# KiCad board arena_10_of_10_v1r1.kicad_pcb (continued)
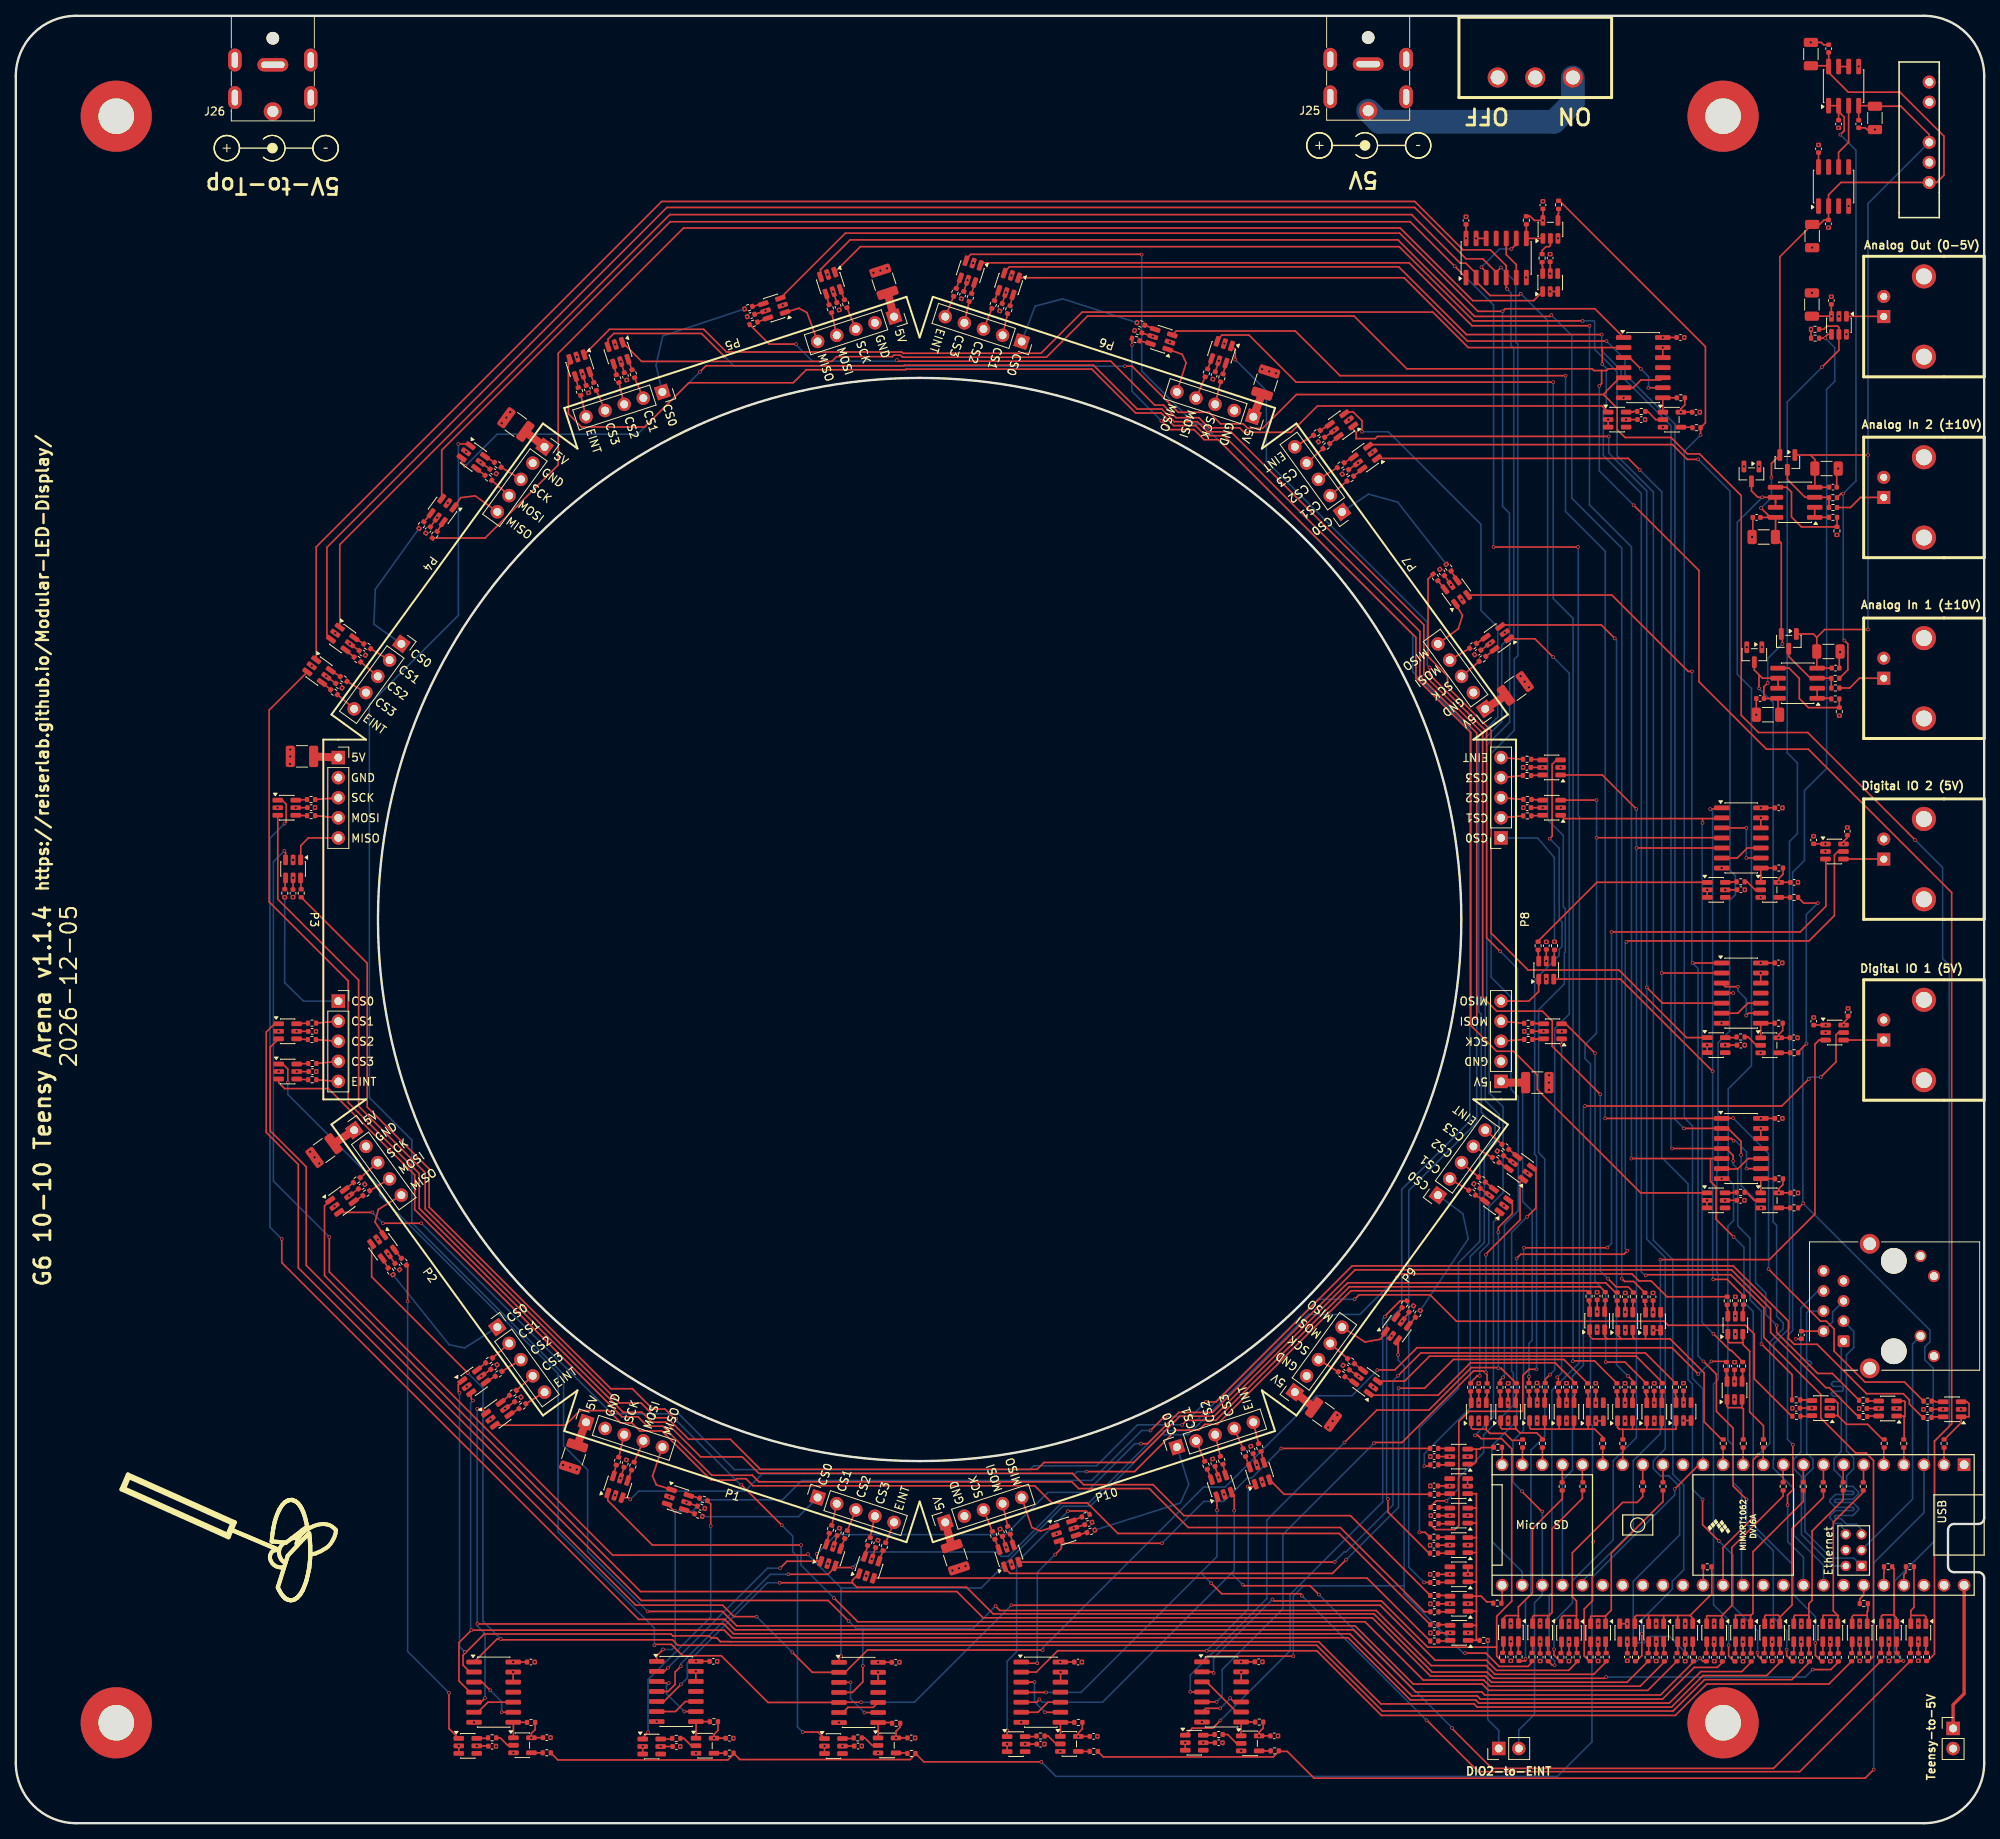
[diagram p0: board, top side]
## Routing (per net, layer and track width the routed paths; a pad name or vN(x,y) marks a point on that pad's centre or on a via; arc(x,y) is an arc through that point) (continued)
/Fan Out/PAN.CS_00_P6: length 213.6
  Top w0.2: v1(200.99,89.15) 215.73,89.15 215.75,89.17 v1(217.18,89.17) ; v1(221.65,70.07) 228.22,63.5 228.96,63.5 229.93,62.52 229.93,59.7 233.84,55.8 238.84,55.8 R49.2 ; v1(195.98,183.08) 167.46,183.08 161.8,188.74 146.75,188.74 U63.3
  Bottom w0.2: v1(221.65,70.07) 221.65,84.69 v1(217.18,89.17) ; v1(195.98,183.08) 195.98,165.89 200.99,160.88 v1(200.99,89.15)
/Fan Out/PAN.CS_01_P1: length 183.6
  Top w0.2: 101.29,33.13 97.53,33.13 v1(96.66,32.26) ; 101.29,33.13 v1(101.29,34.06) ; 101.29,33.13 U44.1 ; v1(82.47,19.66) 82.01,19.2 U89.2 ; R50.2 232.99,51.43 229.33,55.09 228.9,55.09 221.91,62.08 221.91,65.05 216.97,69.99 169.37,69.99 151.34,51.96 147.07,51.96 143.12,48 v1(142.28,48)
  Bottom w0.2: v1(82.47,19.66) 95.07,32.26 v1(96.66,32.26) ; v1(101.29,34.06) 103.74,36.5 125.18,36.5 130.52,41.84 135.37,41.84 141.53,48 v1(142.28,48)
/Fan Out/PAN.CS_01_P6: length 229.2
  Top w0.2: v1(222.68,62.95) 222.68,62.08 227.88,56.88 229.71,56.88 R51.2 ; v1(218.18,84.53) 218.18,86.22 216.53,87.88 U99.2 v1(210.96,87.88) ; v1(201.16,187.46) 183.56,187.46 175.55,195.47 U64.1
  Bottom w0.2: v1(218.18,84.53) 218.18,80.65 220.01,78.83 220.01,68.37 221.29,67.09 221.29,64.36 222.68,62.98 v1(222.68,62.95) ; v1(201.16,187.46) 203.51,185.11 203.51,183.27 209.82,176.96 209.82,89.02 v1(210.96,87.88)
/Fan Out/PAN.CS_02_P1: length 175.9
  Top w0.2: v1(84.09,19.84) 83.37,19.12 83.37,17.55 82.48,16.66 U89.4 ; v1(169.3,66.27) 169.86,66.83 178.84,66.83 182.18,63.49 208.45,63.49 208.97,62.97 218.74,62.97 219.86,61.85 219.86,56.19 224.59,51.47 R52.2 ; v1(105.81,32.34) 103.81,32.34 U44.3 103.6,32.38 102.7,31.48 v1(97.7,31.48)
  Bottom w0.2: v1(105.81,32.34) 107.79,34.31 124.05,34.31 124.05,34.28 124.57,33.75 125.5,33.75 132.29,40.54 135.71,40.54 144.83,49.65 148.05,49.65 164.66,66.27 v1(169.3,66.27) ; v1(84.09,19.84) 84.09,20.17 95.4,31.48 v1(97.7,31.48)
/Fan Out/PAN.CS_02_P6: length 228.2
  Top w0.2: U64.3 125,196.21 125.64,196.85 174.88,196.85 183.45,188.29 v1(200.56,188.29) ; R53.2 224.63,56.73 v1(220.76,60.61) ; v1(209.45,85.34) U99.4 216.28,85.34 217.18,84.43 v1(217.18,83.75)
  Bottom w0.2: v1(209.45,85.34) 209.31,85.47 209.31,176.75 203.01,183.06 203.01,183.77 200.56,186.22 v1(200.56,188.29) ; v1(217.18,83.75) 217.18,83.32 217.75,82.75 217.75,75.55 219.3,74 219.3,66.2 220.76,64.74 v1(220.76,60.61)
/Fan Out/PAN.CS_03_P1: length 164.2
  Top w0.2: v1(201.11,18.48) 200.96,18.33 186.84,18.33 186.06,19.1 179.12,19.1 171.74,26.48 123.59,26.48 120.22,29.85 106.35,29.85 105.79,30.41 ; U45.1 105.79,30.71 105.79,30.41 ; v1(227.24,19.44) 229.53,19.44 230.47,20.37 R54.2 ; 105.79,30.41 v1(96.59,30.41) ; v1(84.11,17.55) 81.95,15.39 U89.5
  Bottom w0.2: v1(96.59,30.41) 95.04,30.41 84.92,20.28 84.92,18.36 v1(84.11,17.55) ; v1(227.24,19.44) 226.29,18.48 v1(201.11,18.48)
/Fan Out/PAN.CS_03_P6: length 268.9
  Top w0.2: R55.2 228.33,20.47 227.58,21.22 v1(227.58,22.8) ; v1(204.31,84.07) 214.31,84.07 ; 214.31,84.07 U99.5 ; 214.31,84.07 214.31,81.17 215.01,80.47 215.01,76.38 v1(217.23,74.16) ; U65.1 122.28,197.36 176.2,197.36 184.15,189.4 v1(199,189.4)
  Bottom w0.2: v1(199,189.4) 199,166.74 204.31,161.43 v1(204.31,84.07) ; v1(227.58,22.8) 227.58,26.11 224.79,28.9 224.79,32.62 219.71,37.7 219.71,64.72 218.54,65.89 218.54,72.85 v1(217.23,74.16)
/Fan Out/PAN.CS_04_P2: length 233.2
  Top w0.2: v1(57.16,56.95) 45,69.11 U47.3 ; R56.2 226.82,20.37 224.61,18.16 213.55,18.16 209.58,14.19 172.82,14.19 164.51,22.5 83.74,22.5 83.05,23.2 61.43,23.2 v1(61.33,23.3) 60.86,23.3 U91.1
  Bottom w0.2: v1(61.33,23.3) 59.08,25.55 59.08,55.03 v1(57.16,56.95)
/Fan Out/PAN.CS_04_P7: length 166.6
  Top w0.2: U67.3 201.83,155.34 211.49,145.68 v1(211.95,145.68) ; v1(212.04,108.8) U102.1 ; v1(218.87,40.95) 217.17,42.64 217.17,49.96 215.06,52.07 215.06,56.77 v1(213.43,58.41) ; R57.2 224.64,20.48 223.94,21.17 v1(223.94,21.95)
  Bottom w0.2: v1(218.87,40.95) 218.87,37.84 222.25,34.45 222.25,26.02 223.94,24.33 v1(223.94,21.95) ; v1(213.43,58.41) 212.73,59.11 212.73,108.11 v1(212.04,108.8) 211.95,108.89 v1(211.95,145.68)
/Fan Out/PAN.CS_05_P2: length 212
  Top w0.2: 56.88,21.56 56.55,21.24 56.55,19.99 57.43,19.12 U91.2 ; 56.88,21.56 59.24,23.93 82.85,23.93 83.08,23.7 83.25,23.7 87.67,23.7 87.93,23.44 88.63,23.44 89.1,22.97 89.11,22.96 90.33,22.96 90.34,22.95 164.77,22.95 172.63,15.09 184.4,15.09 184.8,14.69 209.38,14.69 213.36,18.68 221.42,18.68 223.14,20.4 R58.2 ; 56.88,21.56 v1(56.76,21.67) ; v1(56.11,54.44) 55.96,54.59 55.96,55.47 U48.1
  Bottom w0.2: v1(56.11,54.44) 56.11,22.32 v1(56.76,21.67)
/Fan Out/PAN.CS_05_P7: length 198.7
  Top w0.2: R59.2 220.98,20.48 220.26,21.19 v1(220.26,21.57) ; v1(213.31,40.95) 213.31,37.75 v1(215.36,35.71) ; U68.1 203.91,172.62 v1(205.37,171.16) ; v1(208.15,107.53) U102.2
  Bottom w0.2: v1(215.36,35.71) 217.17,33.89 217.17,27.43 220.26,24.34 v1(220.26,21.57) ; v1(213.31,40.95) 212.02,42.23 212.02,55.55 211.48,56.1 211.48,80.87 208.15,84.19 v1(208.15,107.53) 208.15,168.38 v1(205.37,171.16)
/Fan Out/PAN.CS_06_P2: length 207.8
  Top w0.2: v1(57.81,53.46) 57.59,53.68 U48.3 ; U91.4 57.45,16.58 56.04,17.98 56.04,22.83 v1(57.62,24.41) 89.59,24.41 90.55,23.46 168.48,23.46 176.35,15.59 184.6,15.59 185,15.19 209.1,15.19 213.08,19.18 218.27,19.18 219.44,20.36 R60.2
  Bottom w0.2: v1(57.81,53.46) 57.51,53.16 57.51,24.51 v1(57.62,24.41)
/Fan Out/PAN.CS_06_P7: length 201
  Top w0.2: v1(217.18,104.99) U102.4 ; U68.3 171.22,174.37 209.51,174.37 211.38,172.49 v1(212.75,172.49) ; v1(216.6,22.49) 216.6,21.15 217.28,20.47 R61.2
  Bottom w0.2: 216.73,104.99 216.73,104.99 216.73,116.7 217.45,117.43 217.45,119.83 216.77,120.51 216.77,168.48 v1(212.75,172.49) ; 216.73,104.99 216.73,100.17 215.26,98.7 215.26,82.54 215.11,82.39 215.11,69.68 215.28,69.51 215.28,56.12 214.69,55.53 214.69,27.63 216.6,25.72 v1(216.6,22.49) ; 216.73,104.99 v1(217.18,104.99)
/Fan Out/PAN.CS_07_P2: length 203.4
  Top w0.2: R62.2 215.8,20.33 215.18,19.71 212.25,19.71 208.24,15.69 185.21,15.69 184.81,16.09 176.56,16.09 168.69,23.96 90.75,23.96 89.51,25.2 v1(58.38,25.2) ; 57.95,15.31 58.81,15.31 v1(59.33,15.82) ; v1(58.35,52.4) 58.94,52.4 U49.1
  Bottom w0.2: v1(59.33,15.82) 59.33,23.97 58.38,24.93 v1(58.38,25.2) 58.38,25.39 58.34,25.43 58.34,52.39 v1(58.35,52.4)
/Fan Out/PAN.CS_07_P7: length 215.6
  Top w0.2: v1(212.96,20.88) 213.36,20.48 R63.2 ; U69.1 169.13,176.28 169.51,175.91 169.51,175.13 169.5,175.13 171.92,175.13 172.2,175.4 v1(201.45,175.4) ; U102.5 208.24,103.72 v1(206.24,105.71)
  Bottom w0.2: v1(201.45,175.4) 201.45,173.3 206.24,168.5 v1(206.24,105.71) 206.24,73.87 208.59,71.52 208.59,47.35 207.08,45.84 207.08,44.84 207.99,43.93 209.04,43.93 210.41,42.57 210.41,36.47 204.54,30.6 204.54,23.34 205.05,22.83 205.93,22.83 206.73,23.62 209.12,23.62 212.27,20.48 212.56,20.48 v1(212.96,20.88)
/Fan Out/PAN.CS_08_P3: length 278.7
  Top w0.2: 34.11,121.84 34.11,122.77 33.96,122.92 v1(33.96,122.99) ; v1(100.17,34.03) 100.04,33.91 75.47,33.91 39.65,69.73 v1(39.65,74.13) ; v1(174.63,69.02) 175.09,69.48 204.38,69.48 205.26,68.6 206.8,68.6 208.81,66.59 R64.2 ; v1(104.35,21.16) 104.1,20.91 U94.1
  Bottom w0.2: v1(33.96,122.99) 32.58,121.6 32.58,81.2 v1(39.65,74.13) ; v1(104.35,21.16) 104.35,29.64 104.45,29.75 ; 104.45,29.75 104.38,29.75 100.17,33.96 v1(100.17,34.03) ; 104.45,29.75 122.07,29.75 132.43,40.1 135.9,40.1 144.95,49.15 148.26,49.15 163.45,64.34 169.96,64.34 v1(174.63,69.02)
/Fan Out/PAN.CS_08_P8: length 90.9
  Top w0.2: U103.1 215.58,128.28 v1(214.27,128.28) ; 194.49,106.77 202.91,106.77 v1(214.58,95.09) ; R65.2 218.48,66.71 216.42,68.77 v1(214.65,68.77)
  Bottom w0.2: v1(214.65,68.77) 214.58,68.85 v1(214.58,95.09) 214.58,127.96 v1(214.27,128.28)
/Fan Out/PAN.CS_09_P3: length 254.6
  Top w0.2: v1(212.76,56.81) 209.43,60.14 177.2,60.14 174.39,57.33 172.2,57.33 v1(172.18,57.3) ; v1(98.2,21.61) 100.73,19.08 U94.2 104.87,19.08 107.69,21.9 129.84,21.9 v1(129.86,21.88) ; v1(93.68,26.12) 90.82,26.12 89.37,27.58 78.38,27.58 35.73,70.23 35.73,83.31 31.67,87.37 31.67,100.06 32.72,101.11 U52.1 ; v1(214.42,58.41) 216.23,58.41 R66.2
  Bottom w0.2: v1(172.18,57.3) 172.18,57.28 168.96,54.06 164.48,54.06 152.94,42.51 150.21,42.51 129.86,22.17 v1(129.86,21.88) ; v1(212.76,56.81) 212.82,56.81 v1(214.42,58.41) ; v1(98.2,21.61) 94.27,25.54 94.26,25.54 v1(93.68,26.12)
/Fan Out/PAN.CS_09_P8: length 91.6
  Top w0.2: 213.31,127.06 v1(213.31,126.53) ; 213.31,127.06 215.63,127.06 215.73,127.16 ; 213.31,127.06 195.79,127.06 U72.1 ; v1(214.68,61.9) 216.79,59.8 216.95,59.8 218.38,58.37 R67.2
  Bottom w0.2: v1(214.68,61.9) 213.25,63.34 213.25,126.47 v1(213.31,126.53)
/Fan Out/PAN.CS_10_P3: length 230.3
  Top w0.2: U52.3 32.17,98.14 32.17,87.57 36.73,83.02 36.73,70.54 79.1,28.17 102.72,28.17 v1(105.31,25.59) ; v1(107.12,19.91) 107.12,17.87 105.79,16.54 U94.4 ; R68.2 201.12,20.41 199.54,18.83 187.04,18.83 185.94,19.93 179,19.93 172.03,26.9 124.45,26.9 123.9,27.45 v1(123.9,27.48)
  Bottom w0.2: v1(107.12,19.91) 107.12,24.63 ; 107.12,24.63 121.06,24.63 123.9,27.47 v1(123.9,27.48) ; 107.12,24.63 106.26,24.63 v1(105.31,25.59)
/Fan Out/PAN.CS_10_P8: length 131.1
  Top w0.2: U72.3 195.37,129.4 v1(199.9,129.4) ; v1(199.9,124.65) 215.69,124.65 U103.4 ; v1(199.48,35.6) 199.39,35.51 199.39,28.13 198.33,27.08 198.33,21.15 198.99,20.5 R69.2
  Bottom w0.2: v1(199.48,35.6) 199.39,35.69 199.39,50.25 199.13,50.5 199.13,96.02 198.45,96.7 198.45,98.48 199.9,99.92 v1(199.9,124.65) 199.9,125.94 199.9,125.94 v1(199.9,129.4)
/Fan Out/PAN.CS_11_P3: length 222.3
  Top w0.2: v1(80.75,22.5) 80.87,22.62 82.88,22.62 84.32,21.18 89.21,21.18 95.12,15.27 U94.5 104.13,15.3 v1(106.88,15.3) ; R70.2 197.44,20.4 196.37,19.33 187.25,19.33 185.97,20.61 179.49,20.61 172.54,27.56 v1(125.9,27.56) ; U53.1 33.77,96.02 34.4,95.39 v1(34.4,93.69)
  Bottom w0.2: v1(125.9,27.56) 113.63,15.3 v1(106.88,15.3) ; v1(80.75,22.5) 80.75,24.67 68.57,36.85 68.57,56.88 46.01,79.44 46.01,80.56 34.4,92.17 v1(34.4,93.69)
/Fan Out/PAN.CS_11_P8: length 134.7
  Top w0.2: v1(194.52,22) 194.52,21.26 195.29,20.49 R71.2 ; v1(204.94,123.35) 205.64,123.35 205.65,123.35 U103.5 ; U73.1 200.63,132.58 v1(204.93,128.28)
  Bottom w0.2: v1(204.93,128.28) 204.93,124.06 204.94,124.05 v1(204.94,123.35) 204.94,48.78 202,45.84 202,35.83 196.85,30.68 196.85,27.87 194.52,25.53 v1(194.52,22)
/Fan Out/PAN.CS_12_P4: length 343.2
  Top w0.2: v1(197.54,161.41) 186.88,161.41 v1(186.88,161.41) ; U55.3 53.86,173.66 82.76,202.56 176.33,202.56 v1(181.97,196.92) 181.97,196.92 U95.1 ; v1(194.6,19.98) 194.31,19.98 R72.2
  Bottom w0.2: v1(181.97,196.92) 186.88,192.01 v1(186.88,161.41) ; v1(197.54,161.41) 197.59,161.36 197.59,127.43 197.73,127.29 197.73,58.24 194.25,54.76 194.25,29.14 193.91,28.8 193.91,21.21 194.6,20.53 v1(194.6,19.98)
/Fan Out/PAN.CS_12_P9: length 86.8
  Top w0.2: v1(161.55,21.12) 159.26,21.12 159.25,21.12 150.71,21.12 U106.1 ; v1(174.81,59.25) 174.81,61.01 U75.3 ; v1(183.29,21.51) 185.9,21.51 187.58,19.83 191.23,19.83 191.73,20.33 R73.2
  Bottom w0.2: v1(174.81,59.25) 174.81,58.59 175.57,57.83 175.57,30.03 ; 175.57,30.03 175.57,29 183.05,21.51 v1(183.29,21.51) ; 175.57,30.03 162.85,30.03 161.55,28.73 v1(161.55,21.12)
/Fan Out/PAN.CS_13_P4: length 360.8
  Top w0.2: U56.1 40.97,161.72 82.71,203.46 176.51,203.46 182.66,197.31 183.37,197.31 184.66,196.01 184.66,195 186.44,193.23 190.09,193.23 v1(190.32,193.46) ; v1(190.91,20.8) 190.91,20.55 190.88,20.52 R74.2
  Bottom w0.2: v1(190.91,20.8) 190.91,28.27 191.6,28.95 191.6,47.18 192.81,48.39 192.82,48.39 193.35,48.93 193.35,84.02 192.58,84.8 192.58,102.9 195.82,106.15 195.82,110.05 195.95,110.18 195.95,115.66 195.68,115.93 195.68,124.94 193.71,126.91 193.71,190.06 v1(190.32,193.46)
/Fan Out/PAN.CS_13_P9: length 107.7
  Top w0.2: 187.27,22.26 187.27,26.17 189.17,28.07 189.17,47.35 187.88,48.64 185.31,48.64 184.9,49.05 v1(184.53,49.05) ; 187.27,22.26 187.27,21.13 187.88,20.52 R75.2 ; 187.27,22.26 178.55,22.26 172.7,28.11 159.1,28.11 v1(158.91,28.3) ; U76.1 187.63,76.83 v1(187.26,76.46) ; U106.2 151.33,19.14 v1(151.47,19)
  Bottom w0.2: v1(187.26,76.46) 186.86,76.05 186.86,51.38 184.93,49.45 v1(184.53,49.05) ; v1(158.91,28.3) 151.47,20.86 v1(151.47,19)
/Fan Out/PAN.CS_14_P4: length 328.2
  Top w0.2: v1(188.07,56.39) 187.69,56.01 R76.2 ; U56.3 39.34,150.25 39.34,161.37 82.33,204.36 176.91,204.36 183.4,197.86 185.51,197.86 187.21,196.17 ; 187.21,196.17 U95.4 ; 187.21,196.17 v1(187.81,196.77)
  Bottom w0.2: v1(187.81,196.77) 189.68,194.89 189.68,187.34 189.95,187.08 189.95,147.68 189.5,147.22 189.5,138.23 186.57,135.3 186.57,107 189.07,104.5 189.07,92.83 190,91.89 190,77.48 188.25,75.73 188.25,56.57 v1(188.07,56.39)
/Fan Out/PAN.CS_14_P9: length 89.8
  Top w0.2: v1(148.53,16.63) 148.56,16.6 U106.4 ; U76.3 189.25,78.36 189.25,77.12 187.48,75.35 v1(187.48,74.76) ; R77.2 189.72,55.65 188,57.37 188,57.37 187.82,57.54 v1(187.48,57.54) 187.4,57.63 184.06,57.63 178.69,52.25 172.11,52.25 v1(168.01,48.15)
  Bottom w0.2: v1(148.53,16.63) 148.53,18.73 158.21,28.4 158.21,38.34 v1(168.01,48.15) ; v1(187.48,74.76) v1(187.48,57.54)
/Fan Out/PAN.CS_15_P4: length 332.1
  Top w0.2: R78.2 183.97,55.75 184.8,56.58 v1(185.13,56.58) ; U57.1 37.98,161.42 81.68,205.12 176.9,205.12 183.02,199 186.47,199 188.47,196.99 U95.5 188.47,194.16 v1(188.59,194.04)
  Bottom w0.2: v1(185.13,56.58) 185.13,72.16 186.28,73.31 186.28,77.97 188.07,79.76 188.07,90.61 186.33,92.36 186.33,103.52 186.02,103.83 186.02,136.37 188.91,139.26 188.91,149.38 189.43,149.89 189.43,186.54 189.07,186.89 189.07,193.56 v1(188.59,194.04)
/Fan Out/PAN.CS_15_P9: length 88.6
  Top w0.2: R79.2 186.06,56.73 185.91,56.87 v1(185.91,57.03) 185.76,57.03 185.58,57.2 184.35,57.2 175.3,48.15 171.85,48.15 v1(171.75,48.05) ; U106.5 150.02,15.35 v1(151.85,15.35) ; U77.1 190.22,81.06 190.22,76.3 185.91,71.99 v1(185.91,71.9)
  Bottom w0.2: v1(185.91,57.03) v1(185.91,71.9) ; v1(171.75,48.05) 160.24,36.54 160.24,27.12 152.55,19.43 152.55,16.05 v1(151.85,15.35)
/Fan Out/PAN.CS_16_P5: length 269.2
  Top w0.2: v1(178.11,45.16) 178.7,45.16 R80.2 ; U98.1 199.69,191.55 188.34,191.55 v1(188.02,191.22) 184.89,191.22 175,201.11 104.91,201.11 96.69,192.89
  Bottom w0.2: v1(178.11,45.16) 178.11,46.72 183.92,52.53 183.92,71.66 185.71,73.45 185.71,84.53 187.57,86.4 187.57,89.65 185.83,91.4 185.83,103.37 185.51,103.69 185.51,136.92 187.91,139.32 187.91,149.01 188.9,150 188.89,150.01 188.89,165.69 188.02,166.57 v1(188.02,191.22)
/Fan Out/PAN.CS_16_P10: length 70.6
  Top w0.2: v1(144.93,35.41) 132.21,35.41 ; 132.21,35.41 132.21,34.76 v1(131.43,33.98) ; 132.21,35.41 131.91,35.71 ; R81.2 v1(160.04,47.4) ; v1(129.18,20.23) 127.31,20.23 U107.1
  Bottom w0.2: v1(144.93,35.41) 150.23,40.7 152.76,40.7 155.72,43.66 156.3,43.66 v1(160.04,47.4) ; v1(131.43,33.98) 129.18,31.72 129.18,21.18 129.18,21.17 v1(129.18,20.23)
/Fan Out/PAN.CS_17_P5: length 319.5
  Top w0.2: v1(204.59,166.7) 212.85,158.44 212.85,144.38 221.39,135.84 226.68,135.84 244.81,117.71 244.81,50.5 242.63,48.33 242.63,21.39 241.76,20.52 R82.2 ; U98.4 203.18,183.95 201.38,183.95 201.16,183.73 200.55,183.73 ; 200.55,183.73 199.56,183.73 199.33,183.95 175.9,183.95 169.24,190.62 135.53,190.62 130.33,185.42 112.12,185.42 111.86,185.68 111.03,185.68 110.84,185.49 103.81,185.49 103.2,184.89 79.13,184.89 U60.1 ; 200.55,183.73 200.54,183.72 200.54,182.09 v1(200.25,181.8)
  Bottom w0.2: v1(204.59,166.7) 200.25,171.04 v1(200.25,181.8)
/Fan Out/PAN.CS_17_P10: length 145.5
  Top w0.2: v1(130.3,16.54) 127.18,16.54 U107.4 ; R83.2 225.6,6.52 184.94,6.52 178.45,13.01 v1(178.4,13.01) ; v1(162.62,28.78) 162.62,28.9 162.5,29.03 152.49,29.03 v1(151.17,30.34) ; U80.1 v1(151.89,39.58)
  Bottom w0.2: v1(130.3,16.54) 134.71,16.54 149.84,31.67 ; v1(151.89,39.58) 151.89,33.73 149.84,31.67 ; 149.84,31.67 v1(151.17,30.34) ; v1(178.4,13.01) 162.76,28.65 162.75,28.65 v1(162.62,28.78)
/Fan Out/PAN.CS_18_P5: length 327.8
  Top w0.2: U60.3 74.9,187.7 75.62,188.43 86.7,188.43 v1(89.62,185.51) ; 200.78,180.7 202.5,178.98 202.5,176.27 203.5,175.27 209.31,175.27 211.39,173.19 212.92,173.19 218.2,167.92 218.2,140.13 220.38,137.95 226.6,137.95 239.26,125.29 239.26,125.28 v1(240.19,124.35) ; 200.78,180.7 201.12,181.04 201.12,181.11 202.83,182.83 U98.5 ; 200.78,180.7 161.95,180.7 157.66,176.42 155.78,176.42 155.21,176.99 152.36,176.99 150.91,178.45 147,178.45 141.16,184.29 v1(140.26,184.29) ; R84.2 v1(238.72,20.5)
  Bottom w0.2: v1(140.26,184.29) 90.84,184.29 v1(89.62,185.51) ; v1(238.72,20.5) 237.56,21.65 237.56,30.61 242.62,35.67 242.62,48.33 244.5,50.2 244.5,108.52 243.66,109.36 243.66,120.88 v1(240.19,124.35)
/Fan Out/PAN.CS_18_P10: length 142.2
  Top w0.2: U107.5 129.1,15.3 v1(129.45,15.65) ; U80.3 154.08,41.49 v1(154.08,39.54) ; v1(155.15,30.17) 155.28,30.04 163.66,30.04 v1(164.79,28.91) ; R85.2 222.27,6.93 186.67,6.93 181.63,11.97 v1(181.63,12.04)
  Bottom w0.2: 153.72,31.6 154.08,31.95 v1(154.08,39.54) ; 153.72,31.6 137.42,15.3 129.8,15.3 v1(129.45,15.65) ; 153.72,31.6 v1(155.15,30.17) ; v1(164.79,28.91) 181.63,12.07 v1(181.63,12.04)
/Fan Out/PAN.CS_19_P5: length 326.3
  Top w0.2: 200.63,186.64 U98.2 ; 200.63,186.64 v1(200.63,184.53) ; 200.63,186.64 183.68,186.64 179.19,191.12 134.85,191.12 129.64,185.92 112.2,185.92 112.04,186.08 89.86,186.08 86.99,188.95 75.08,188.95 U61.1 ; v1(206.12,69.28) 206.23,69.38 216.87,69.38 221.06,65.19 221.06,61.43 228.26,54.23 228.26,51.23 232.66,46.83 233.97,46.83 234.92,45.88 234.92,21.11 234.32,20.51 R86.2
  Bottom w0.2: v1(200.63,184.53) 201.13,184.03 201.13,179.05 200.75,178.67 200.75,173 205.55,168.2 205.55,69.75 206.03,69.28 v1(206.12,69.28)
/Fan Out/PAN.CS_19_P10: length 136.4
  Top w0.2: v1(155.79,42.57) 156.43,42.57 U81.1 ; U107.2 129.05,19.11 131.76,21.81 v1(150.59,21.81) 164.51,21.81 172.7,13.63 209.86,13.63 213.83,17.6 229.27,17.6 R87.2
  Bottom w0.2: v1(150.59,21.81) 155.86,27.08 155.86,42.5 v1(155.79,42.57)
/Fan Out/PAN.EINT_P1: length 73.7
  Top w0.2: U45.3 108.47,31 170.88,31 178.84,23.04 R93.2
/Fan Out/PAN.EINT_P2: length 130.4
  Top w0.2: U49.3 69.5,50.33 71.35,52.18 74.95,52.18 76.51,50.62 77.91,50.62 78.92,49.61 81.7,49.61 87.92,43.39 90.97,43.39 91.15,43.58 92.33,43.58 93.22,42.68 128.85,42.68 131.03,40.5 135.52,40.5 139.37,36.65 167.34,36.65 R94.2
/Fan Out/PAN.EINT_P3: length 176.4
  Top w0.2: R95.2 178.14,26.74 167.48,37.4 148.27,37.4 143.35,42.32 134.41,42.32 133.54,43.18 93.96,43.18 93.14,44 88.02,44 81.8,50.22 79.85,50.22 78.66,51.41 76.64,51.41 50.44,77.61 50.44,81.99 39.52,92.92 33.98,92.92 33.25,93.65 U53.3
/Fan Out/PAN.EINT_P4: length 225.9
  Top w0.2: U57.3 32.03,140.78 32.03,116.53 42.03,106.53 42.03,91.16 51.02,82.17 51.02,77.76 76.8,51.98 79.17,51.98 80.43,50.72 82.22,50.72 86.61,46.33 91.87,46.33 93.95,44.25 133.59,44.25 135.03,42.82 143.8,42.82 147.72,38.9 168.78,38.9 R96.2
/Fan Out/PAN.EINT_P5: length 260.6
  Top w0.2: v1(184.6,101.8) 184.75,101.95 184.75,137.89 177.56,145.09 177.56,150.73 152.8,175.49 150.48,175.49 149.2,176.77 146.43,176.77 144.84,178.36 141.62,178.36 136.06,183.91 112.58,183.91 112.5,183.84 99.97,183.84 98.32,182.19 85.11,182.19 79.51,176.59 71.55,176.59 69.88,178.27 69.88,184.96 U61.3 ; R97.2 v1(178.09,30.45)
  Bottom w0.2: v1(184.6,101.8) 184.75,101.65 184.75,88.62 176.15,80.02 176.15,32.39 v1(178.09,30.45)
/Fan Out/PAN.EINT_P6: length 211.4
  Top w0.2: v1(173.53,41) 173.53,39.34 178.72,34.15 R88.2 ; v1(142.38,198.39) 142.34,198.43 120.77,198.43 120.15,197.81 U65.3
  Bottom w0.2: v1(173.53,41) 173.36,41.17 173.36,63.35 175.26,65.25 175.26,80.16 183.87,88.77 183.87,138.41 176.65,145.63 176.65,150.36 150.04,176.97 149.09,176.97 142.38,183.67 v1(142.38,198.39)
/Fan Out/PAN.EINT_P7: length 159.8
  Top w0.2: v1(177.5,36.79) 178.22,36.79 R89.2 ; v1(170.24,175.99) 170.24,177.39 169.15,178.48 168.22,178.48 U69.3
  Bottom w0.2: v1(170.24,175.99) 173.56,175.99 185.28,164.28 185.28,153.41 187.41,151.28 187.41,139.88 185,137.48 185,102.64 185.32,102.32 185.32,89.93 187.07,88.19 187.07,86.49 185.13,84.56 185.13,73.59 182.44,70.89 182.44,54.96 177.5,50.02 v1(177.5,36.79)
/Fan Out/PAN.EINT_P8: length 112.7
  Top w0.2: v1(192.31,57.4) 192.3,57.41 191.36,57.41 190.57,56.62 190.57,52.09 183.78,52.09 182.48,50.79 182.48,37.63 181.99,37.14 179.52,37.14 178.91,37.76 R90.2 ; U73.3 194.83,134.48 194.29,133.93 194.29,124.84 v1(193.97,124.52)
  Bottom w0.2: v1(192.31,57.4) 192.31,84.35 192.07,84.59 192.07,106.65 195.18,109.75 195.18,110.53 195.52,110.88 195.52,113.45 195.55,113.48 195.55,113.95 195.18,114.33 195.18,123.32 v1(193.97,124.52)
/Fan Out/PAN.EINT_P9: length 49.7
  Top w0.2: v1(180.91,40.77) 179.63,40.77 178.91,40.04 R91.2 ; U77.3 192.23,82.49 192.23,77.81 v1(191.12,76.7)
  Bottom w0.2: v1(191.12,76.7) 189.16,74.74 189.16,57.15 189.38,56.94 189.38,52.87 185.62,49.11 185.62,46.87 182.4,43.65 182.4,42.25 v1(180.91,40.77)
/Fan Out/PAN.EINT_P10: length 21.1
  Top w0.2: R92.2 160.38,41.61 U81.3
/Fan Out/PAN.MISO_B0_P1: length 33.9
  Top w0.2: U90.1 79.28,10.82 v1(79.96,11.5) ; R98.2 87.88,40.37 v1(87.88,37.6)
  Bottom w0.2: v1(87.88,37.6) 87.88,26.08 79.96,18.16 v1(79.96,11.5)
/Fan Out/PAN.MISO_B0_P2: length 62.6
  Top w0.2: v1(49.55,66) 49.55,70.43 R106.2 ; U93.1 54.78,11.97 v1(54.78,16.49)
  Bottom w0.2: v1(54.78,16.49) 49.55,21.72 v1(49.55,66)
/Fan Out/PAN.MISO_B0_P3: length 137.6
  Top w0.2: v1(99.52,11.52) 101.45,11.52 U97.1 ; R114.2 44.44,108.77 44.44,90.58 52.27,82.75 52.27,77.93 75.25,54.95 77.97,54.95 80.54,52.38 82.09,52.38 83.29,51.18 v1(83.5,51.18) ; v1(96.86,37.69) v1(91.74,42.81)
  Bottom w0.2: v1(96.86,37.69) 98.25,36.3 98.25,34.33 98.85,33.73 98.85,12.19 v1(99.52,11.52) ; v1(83.5,51.18) 83.5,50.97 91.65,42.81 v1(91.74,42.81)
/Fan Out/PAN.MISO_B0_P4: length 169.2
  Top w0.2: U101.1 191.94,192.58 184.25,192.58 175.06,201.76 84.44,201.76 68.59,185.91 68.59,171.79 59.34,162.54 R122.2
/Fan Out/PAN.MISO_B0_P5: length 116.1
  Top w0.2: v1(98.65,187.08) 95.28,187.08 R130.2 ; U105.1 200.59,179.25 164.6,179.25 161.27,175.91 155.32,175.91 154.75,176.49 150.89,176.49 149.61,177.77 146.71,177.77 145.12,179.36 144.02,179.36 138.47,184.92 111.56,184.92 v1(111.43,185.05)
  Bottom w0.2: v1(98.65,187.08) 98.65,187 100.73,184.92 111.29,184.92 v1(111.43,185.05)
/Fan Out/PAN.MISO_B1_P6: length 147.2
  Top w0.2: R138.2 v1(141.14,186.95) ; U109.1 205.48,79.73 192.41,92.79 192.41,94.62 189.4,97.63 187.27,97.63 184,100.9 184,137.93 177.06,144.88 177.06,149.98 152.05,174.99 150.27,174.99 148.99,176.27 145.98,176.27 v1(144.86,177.39)
  Bottom w0.2: v1(144.86,177.39) 141.14,181.11 v1(141.14,186.95)
/Fan Out/PAN.MISO_B1_P7: length 81.8
  Top w0.2: R146.2 178.59,157.36 178.59,147.56 181.05,145.1 181.05,143.72 186.57,138.21 186.57,112.58 191.25,107.9 202.74,107.9 211.28,99.36 U113.1
/Fan Out/PAN.MISO_B1_P8: length 24.5
  Top w0.2: U117.1 199.94,119 192.51,111.56 R154.2
/Fan Out/PAN.MISO_B1_P9: length 68.6
  Top w0.2: 147.88,11.13 148.78,12.02 151.36,12.02 v1(152.33,13) ; R162.2 175.05,66.06 173.13,64.14 v1(173.13,64.06)
  Bottom w0.2: v1(173.13,64.06) 172.85,63.79 172.85,40.63 161.14,28.92 161.14,21.81 v1(152.33,13)
/Fan Out/PAN.MISO_B1_P10: length 34.6
  Top w0.2: R170.2 135.36,39.49 133.08,39.49 v1(133.04,39.46) ; v1(125.36,11.73) U125.1
  Bottom w0.2: v1(133.04,39.46) 126.56,32.98 126.56,21.68 125.36,20.48 v1(125.36,11.73)
/Fan Out/PAN.MOSI_B0_P1: length 133.4
  Top w0.2: 198.95,67.16 198.76,67.34 168.85,67.34 151.96,50.45 150.35,50.45 149.61,49.71 146.7,49.71 141.46,44.47 v1(135.4,44.47) ; U42.3 77.48,41.17 v1(77.71,40.95)
  Bottom w0.2: v1(135.4,44.47) 134.19,44.47 133.91,44.19 94.39,44.19 92.21,42 78.77,42 v1(77.71,40.95)
/Fan Out/PAN.MOSI_B0_P2: length 183.5
  Top w0.2: v1(51.27,75.88) v1(46.43,75.88) ; R34.2 201,67.2 200.36,67.85 168.64,67.85 151.75,50.95 148.06,50.95 147.5,50.4 v1(147.5,50.38) ; U46.3 v1(45.1,77.26)
  Bottom w0.2: v1(45.1,77.26) 45.1,77.21 v1(46.43,75.88) ; v1(51.27,75.88) 51.29,75.88 75.39,51.78 83.82,51.78 90.88,44.72 128.23,44.72 128.71,45.19 136.66,45.19 141.85,50.38 v1(147.5,50.38)
/Fan Out/PAN.MOSI_B0_P3: length 232.2
  Top w0.2: U50.3 33.12,116.87 43.35,106.64 43.35,90.69 51.77,82.28 51.77,77.72 76.33,53.16 79.05,53.16 80.94,51.28 82.37,51.28 85.09,48.56 90.36,48.56 94.16,44.76 129.16,44.76 130.03,45.63 141.35,45.63 147.2,51.48 151.56,51.48 168.44,68.35 201.06,68.35 202.29,67.12 R35.2
/Fan Out/PAN.MOSI_B0_P4: length 241.1
  Top w0.2: v1(56.83,171.63) 56.38,172.08 U54.3 ; v1(201.35,68.87) 202.39,67.83 203.91,67.83 204.55,67.19 R36.2 ; v1(86.52,183.57) 87.28,184.34 112.3,184.34 112.37,184.41 136.27,184.41 141.82,178.86 144.92,178.86 146.51,177.27 149.41,177.27 150.68,175.99 153.65,175.99 178.06,151.58 178.06,145.29 185.49,137.86 185.49,104.49 187.28,102.71 193.05,102.71 194.3,101.46 194.3,98.27 v1(200.37,92.19)
  Bottom w0.2: v1(86.52,183.57) 78.63,175.68 60.88,175.68 v1(56.83,171.63) ; v1(201.35,68.87) 200.37,69.85 v1(200.37,92.19)
/Fan Out/PAN.MOSI_B0_P5: length 228.2
  Top w0.2: U58.3 101.76,196.51 105.51,200.26 174.79,200.26 184.47,190.58 194.02,190.58 v1(194.19,190.75) ; R37.2 204.58,68.52 203.44,68.52 v1(203.09,68.88)
  Bottom w0.2: v1(194.19,190.75) 196.77,188.17 196.77,167.59 203.09,161.27 v1(203.09,68.88)
